# Altium PCB BCS1_REV2.2.PcbDoc (part 2 of 4)
Units mm, origin at the board's own origin, x right, y up, seen from the top; angles counter-clockwise.
Board outline 86.39 x 54.64 mm, 8 copper layers (TOP, LAYER 2 (Plane1), LAYER 3, LAYER 4_PWR1, LAYER 5_PWR2, LAYER 6, LAYER 7 (Plane2), BOTTOM), stack 1.674 mm thick; 201 components, 237 nets, 906 pads, 504 vias.
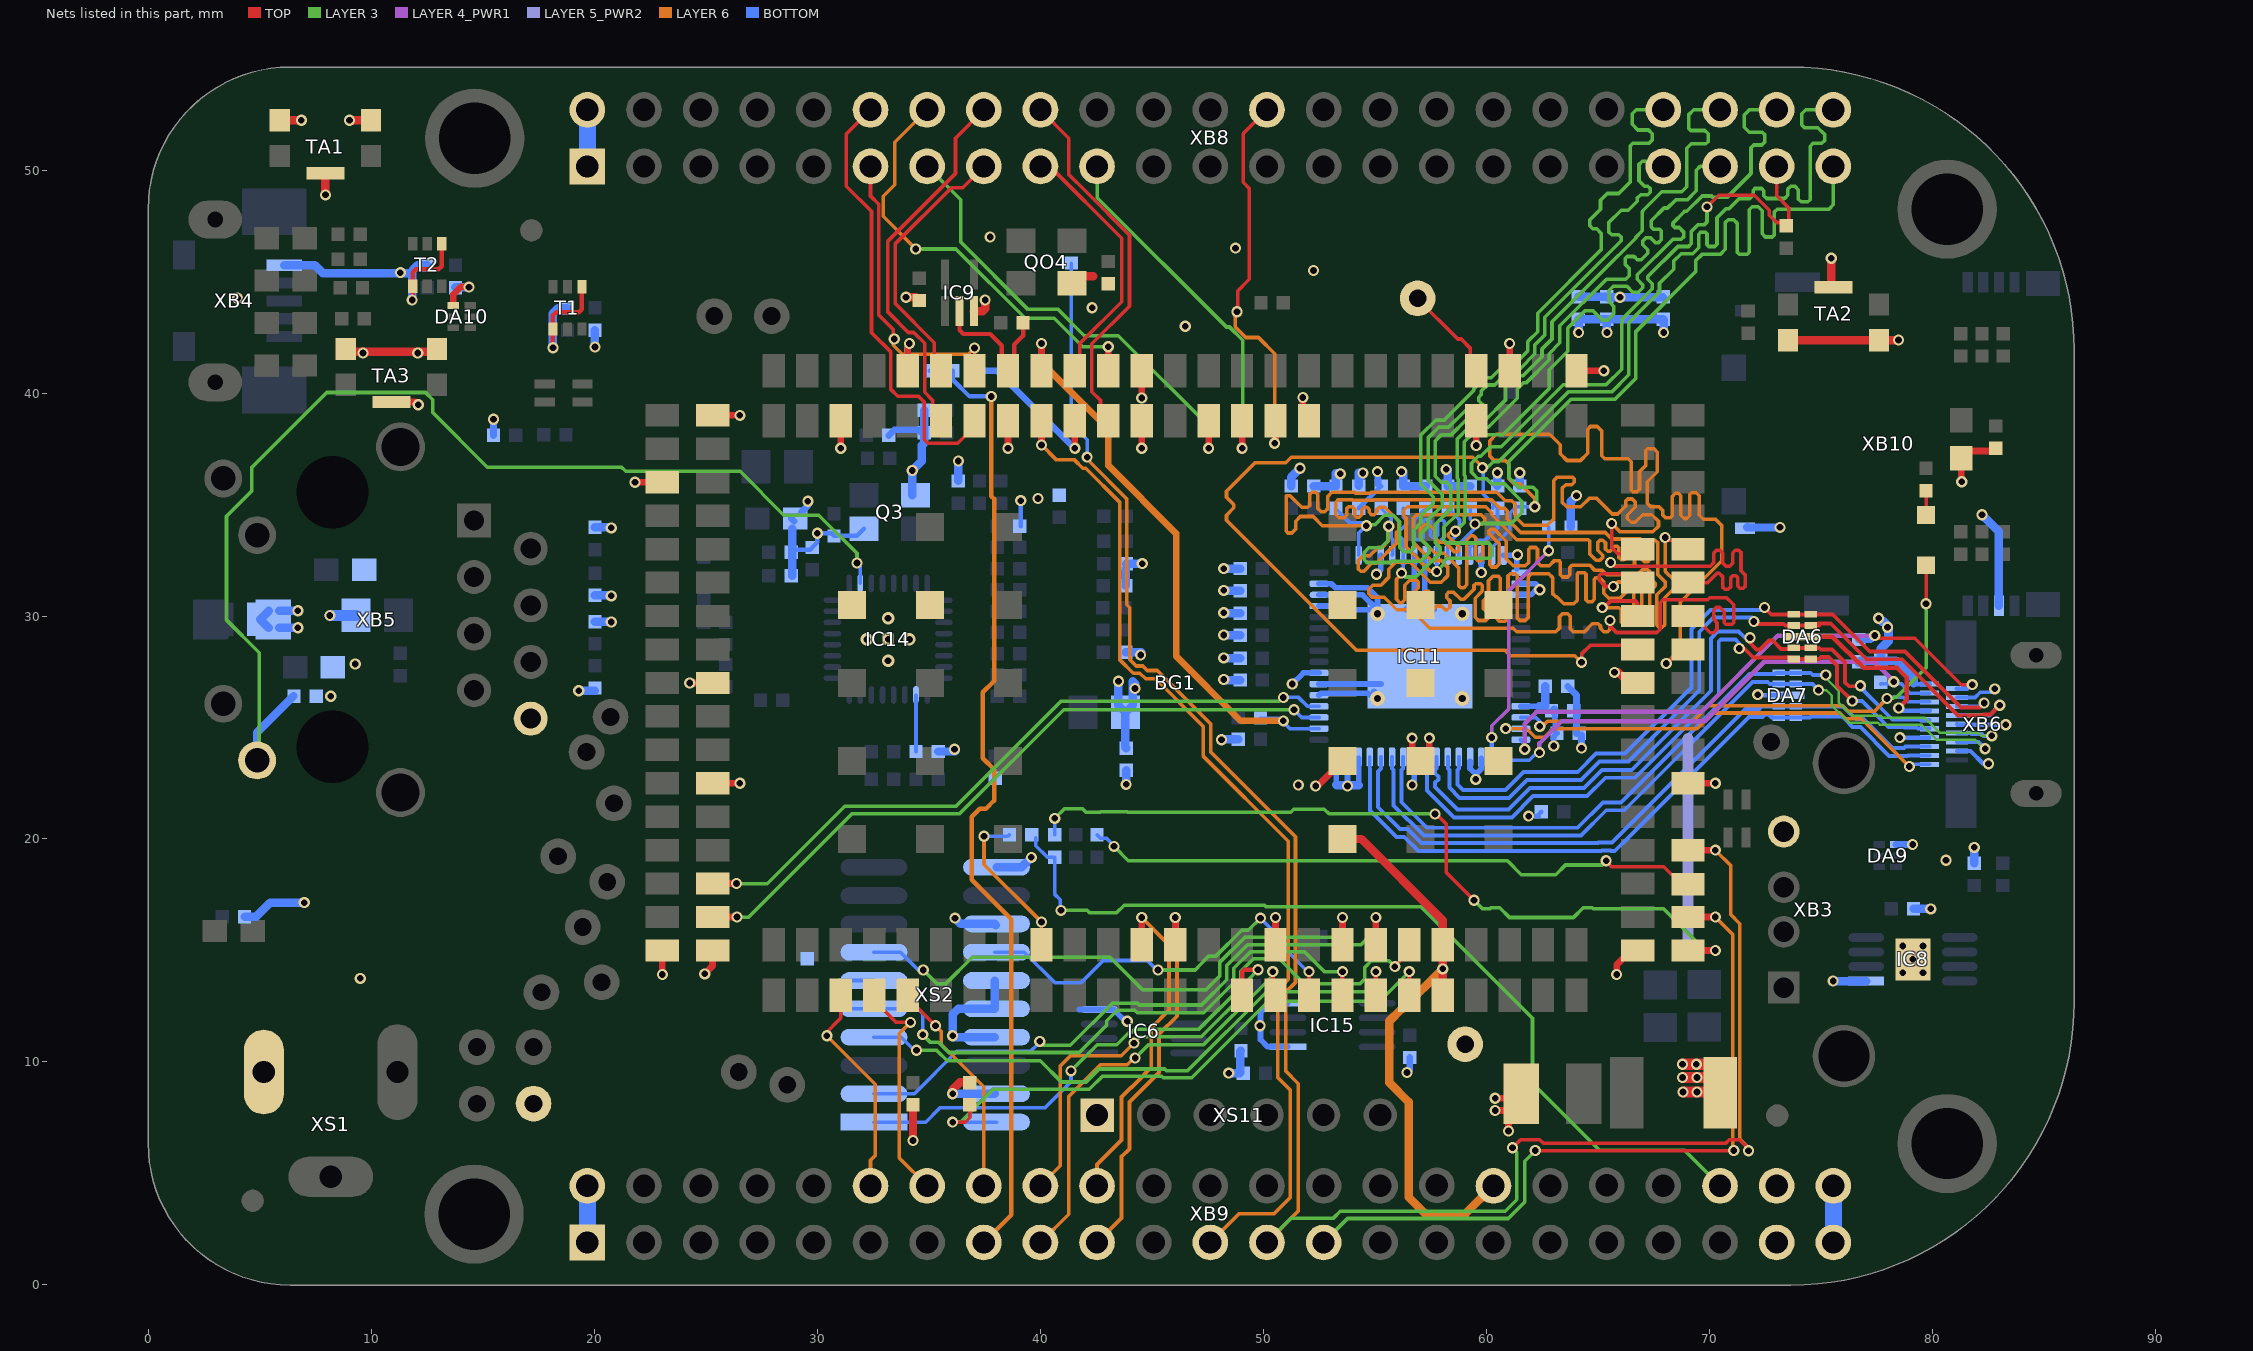
[diagram p8: the nets of this part, all layers, seen from the top]

## Via types
v1: diameter 0.5, hole 0.3, TOP to BOTTOM, tented both sides, 368 vias
v2: diameter 0.5, hole 0.3, TOP to BOTTOM, 128 vias
v3: diameter 0.559, hole 0.305, TOP to BOTTOM, tented both sides, 4 vias
v4: diameter 0.66, hole 0.33, TOP to BOTTOM, tented top, 4 vias

## Nets (pads, with @x,y where several pads share a name; then routed paths per layer and width w, separated by ;. In a path a pad name is that pad's centre, name@x,y a point inside that pad or via, vN(x,y) a via of type N, cw(c..) or ccw(c..) an arc to the next point about the centre after c; other vN are vias at no path point) (continued)
DGND: BG1.3 BG1.17 BG1.18 BG1.26 BG1.29 BG1.34 BG1.75 BG1.90 BG1.102 BG1.110 BG1.119 BG1.121 BG1.132 BG1.147 BG1.152 BG1.157 BG1.161 BG1.166 BG1.A2 BG1.B2 BG1.G2 BG1.G4 BG1.H2 BG1.H3 BG1.H4 BG1.I2 BG1.I4 C27.2 C29.1 C30.1 C34.1 C35.2 C36.2 C131.1 C132.1 C133.1 C134.1 C135.2 C136.1 C137.1 C138.1 C139.1 C140.1 C141.1 C142.2 C143.2 C144.1 C145.2 C146.1 C147.2 C148.1 C149.2 C150.2 C151.2 C153.1 C154.1 C155.2 C156.2 C157.2 C159.1 C160.2 C161.2 C162.2 C163.2 C164.2 C165.2 C166.2 C167.2 C168.2 C169.2 C170.2 C171.2 C172.2 C173.2 C199.1 C200.1 C201.1 DA6.3 DA6.8 DA7.3 DA7.8 DA9.4 DA10.4 IC6.4 IC8.1 IC8.9 IC9.3 IC11.8 IC11.9 IC11.16 IC11.17 IC11.18 IC11.19 IC11.53 IC11.54 IC11.61 IC11.62 IC11.63 IC11.65 IC14.33 IC15.1 IC15.4 Q3.2 Q3.4 QO4.2 R12.2 R25.2 R49.1 R53.1 R76.1 R77.1 R78.1 R79.1 R115.2 R116.2 R117.2 R118.2 R130.2 R132.2 R135.2 R136.1 R144.2 R145.1 R148.2 R149.2 R163.1 R165.1 T1.1 T1.4 T2.1 T2.4 TA1.1 TA1.4 TA1.5 TA2.1 TA2.4 TA2.5 TA3.1 TA3.4 TA3.5 TP1.1 TP8.1 XB3.4 XB4.5 XB5.8 XB6.4 XB6.7 XB6.10 XB6.13 XB6.16 XB8.1 XB8.2 XB9.1 XB9.2 XB9.43 XB9.44 XB9.45 XB9.46 XB10.6 XB10.9 XS1.2 XS2.4 XS2.8 XS2.10 XS2.12 XS2.16 XS2.20 XS11.1 | length 199.9
  TOP w0.2: DA6.3@74.55,29.075 75.525,29.075 76.925,27.675 78.425,27.675 78.85,27.25 78.85,26.225 v1(78.5,25.875)
  TOP w0.203: v1@11.85,44.175 T2.1@11.85,44.798 11.85,45.406 11.992,45.548 13.008,45.548 13.15,45.69 T2.4@13.15,46.698 ; v1(18.143,42.035) T1.1@18.143,42.873 18.143,43.481 18.285,43.623 19.301,43.623 19.442,43.765 T1.4@19.443,44.773
  TOP w0.3: TA3.5@10.9,39.6 11.975,39.6 v1(12.1,39.475) ; DA10.4@13.672,43.925 13.672,44.422 14.025,44.775 14.35,44.775 v1(14.375,44.75) ; v1(21.825,36) BG1.3@23.05,36 ; v1(23.05,13.925) BG1.17@23.05,15 ; v1(24.275,27) BG1.26@25.5,27 ; v1(24.95,13.95) 25.3,14.3 BG1.34@25.3,15 ; BG1.29@25.3,22.5 v1(26.525,22.5) ; BG1.18@25.3,39 v1(26.525,39) ; v1(31.05,37.525) BG1.166@31.05,38.75 ; v1(38.55,37.525) BG1.161@38.55,38.75 ; v1(44.55,37.525) BG1.157@44.55,38.75 ; v1(44.55,39.775) BG1.132@44.55,41 ; BG1.75@50.55,15.25 v1(50.55,16.475) ; BG1.152@51.775,38.75 v1(51.775,39.8) ; v1@52.425,22.375 BG1.G4@53.55,23.5 ; BG1.H4@56.675,23.875 v1(56.675,24.525) ; BG1.H4@57.45,23.9 v1(57.45,24.525) ; v1(59.55,37.65) BG1.147@59.55,38.75 ; v1(60.4,7.825) C34.1@60.9,7.825 ; v1(60.4,8.375) C34.1@60.9,8.375 ; C34.1@60.875,7.875 C34.1@61.575,8.575 ; v1(61,6.9) C34.1@61,7.4 ; BG1.121@61.05,41 v1(61.05,42.225) ; BG1.119@64.05,41 v1(65.275,41) ; v1(65.85,13.925) 65.85,14.35 BG1.102@66.275,14.775 ; BG1.90@69.05,22.5 v1(70.275,22.5) ; v2(81.325,36.025) 81.3,36.05 C153.1@81.3,37.075 81.625,37.4 82.725,37.4 C154.1@82.85,37.525
  TOP w0.381: TA1.4@5.887,52.235 v1(6.858,52.235) ; v1(7.937,48.89) TA1.5@7.937,49.86 ; TA3.4@8.7,41.85 TA3.1@12.8,41.85 ; v1(9.017,52.235) TA1.1@9.987,52.235 ; v1(33.975,44.3) 34.425,44.3 C199.1@34.575,44.15 ; v1(34.29,6.477) C29.1@34.29,8.064 ; v1(36.068,8.572) 36.068,8.763 36.386,9.08 R25.2@36.83,9.08 ; IC9.3@37.025,43.675 37.425,43.675 37.525,43.775 v1(37.525,44.175) ; QO4.2@41.573,45.243 42.375,45.243 ; v1@65.825,27.475 65.925,27.475 66.4,27 BG1.110@66.8,27 ; TA2.1@73.515,42.38 v1(78.486,42.38) ; TA2.5@75.475,44.75 v1(75.475,46.05)
  BOTTOM w0.16: XB6.16@81.11,26.346 81.921,26.346 82.15,26.575 v1@82.645,26.575
  BOTTOM w0.191: R118.2@39.125,34.03 v1(39.125,35.175) ; v1@78.55,24.58 78.584,24.546 XB6.7@79.885,24.546 ; XB6.4@81.11,23.946 81.718,23.946 82.289,23.375 v1(82.525,23.375) ; XB6.10@81.11,25.146 81.135,25.121 v1@83.3,25.121
  BOTTOM w0.2: C131.1@28.825,32.859 28.875,32.859 28.991,32.975 29.675,32.975 R144.2@29.775,33.075 30,33.3 v1(30,33.712) 30.626,33.712 C135.2@30.747,33.592 31.769,33.592 Q3.2@32.093,33.915 ; R117.2@43.825,31.35 R117.2@43.85,31.375 ; C144.1@54.285,34.831 C162.2@55.285,35.831 ; v1(61.9,21.025) R49.1@62.35,21.025 ; R49.1@62.325,21.075 R49.1@62.475,21.225 ; v1(72.175,26.475) 72.2,26.45 DA7.3@73.375,26.45 ; v1(78.5,25.875) 78.629,25.746 XB6.13@79.885,25.746
  BOTTOM w0.254: 41.75,12.35 43.293,12.35 43.693,11.95 43.817,11.826 v1(43.902,11.826) ; IC15.1@51.105,10.681 50.194,10.681 49.875,11 49.875,12.226 50.279,12.631 IC15.4@51.105,12.631 ; IC11.53@52.5,26.45 52.587,26.537 54.703,26.537 IC11.65@54.79,26.45 ; IC11.54@52.5,26.95 IC11.65@55.28,26.95 ; IC11.61@52.5,30.45 53.934,30.45 54.104,30.28 IC11.65@55.12,30.28 ; IC11.62@52.5,30.95 54.45,30.95 IC11.65@55.12,30.28 ; IC11.63@52.5,31.45 53.05,31.45 53.225,31.275 54.675,31.275 55.12,30.83 IC11.65@55.12,30.28 ; IC11.65@54.965,26.625 IC11.65@55.12,26.47 ; IC11.65@56.39,30.28 56.775,30.665 IC11.8@56.775,32.725 ; IC11.9@57.275,32.725 57.238,32.688 57.238,30.702 IC11.65@57.66,30.28 ; IC11.16@60.775,32.725 v1@61.375,32.725 ; 61.375,32.125 v1@61.375,32.725 ; v1@61.47,32.82 v1@61.375,32.725 ; IC11.19@61.55,30.95 62,30.95 62.298,31.248 v1@62.407,31.248 ; IC11.18@61.55,31.45 62.205,31.45 v1@62.407,31.248 ; v1(62.403,31.177) 62.403,31.244 v1@62.407,31.248
  BOTTOM w0.3: C36.2@15.475,38.1 v1(15.475,38.825) ; C133.1@28.825,34.384 C133.1@28.959,34.25 ; C133.1@29.275,34.65 29.575,34.95 v1(29.575,35.15) ; C142.2@33.2,38.1 33.45,38.35 34.551,38.35 C134.1@34.676,38.225 ; v1(55.125,36.475) C162.2@55.15,35.9 ; v1(56.45,9.525) 56.575,9.65 C155.2@56.575,10.2 ; C150.2@63.65,26.85 64.05,26.45 C147.2@64.05,25.7 ; C151.2@64.05,24.729 C147.2@64.05,25.7 ; C147.2@64.077,25.673 C147.2@64.05,25.7 ; v1(64.275,24.075) C151.2@64.275,24.675 ; DA9.4@78.377,19.75 v1@79.123,19.75
  BOTTOM w0.381: R12.2@4.318,16.51 4.826,16.51 5.461,17.145 v1(6.985,17.145) ; R136.1@5.397,29.464 5.016,29.845 R136.1@5.397,30.226 ; R136.1@5.874,29.475 v1(6.7,29.475) ; R136.1@5.874,30.237 v1(6.7,30.237) ; XB4.5@6.096,45.732 7.468,45.732 7.825,45.375 11.825,45.375 11.825,44.2 v1@11.85,44.175 ; 11.85,45.509 12.079,45.738 R78.1@12.5,45.738 ; R79.1@13.77,44.75 v1(14.375,44.75) ; v1(18.143,42.035) 18.125,42.053 18.125,43.567 18.372,43.813 R76.1@18.792,43.813 ; v1(19.3,26.65) C140.1@20.015,26.65 ; C139.1@20.025,29.75 v1@20.74,29.75 ; C138.1@20.025,30.925 v1@20.74,30.925 ; C137.1@20.025,33.975 v1@20.74,33.975 ; v1(20.025,42.063) R77.1@20.025,42.825 ; C132.1@28.875,31.809 28.875,32.429 ; 28.875,32.491 28.875,32.859 C133.1@28.875,33.909 ; Q3.4@34.256,35.415 v1(34.256,36.525) 34.675,36.944 34.675,37.65 34.8,37.775 C134.1@34.8,38.225 C136.1@34.8,39.225 ; R145.1@35.426,23.924 v1@36.188,23.924 ; v1(36.068,8.572) XS2.4@37.948,8.572 ; v1(36.175,16.45) 36.433,16.192 37.948,16.192 XS2.16@38.011,16.129 ; C143.2@36.319,36.058 v1@36.319,36.95 ; XS2.8@37.948,11.112 36.131,11.112 v1(36.068,11.176) 36.068,12.135 36.316,12.383 37.948,12.383 XS2.12@37.948,13.652 ; XS2.20@38.037,18.732 39.157,18.732 v1(39.6,19.175) ; R115.2@43.825,28.375 44.525,28.375 44.5,28.35 v1(44.5,28.25) ; R117.2@43.825,31.35 R116.2@43.825,32.1 ; v1(43.85,22.45) C145.2@43.85,23.075 ; R116.2@43.85,32.35 v1(44.575,32.35) ; v1@48.15,24.475 R149.2@48.875,24.475 ; v1(48.225,31.15) 48.244,31.131 C168.2@48.96,31.131 ; v1(48.225,32.125) 48.231,32.131 C156.2@48.96,32.131 ; v1@48.244,27.131 C164.2@48.96,27.131 ; v1@48.244,28.106 C165.2@48.96,28.106 ; v1@48.244,29.131 C166.2@48.96,29.131 ; v1@48.244,30.131 C167.2@48.96,30.131 ; v1(48.45,9.5) 48.95,9.5 48.975,9.525 48.975,10.475 C27.2@49,10.5 ; C157.2@51.26,35.831 51.25,35.84 51.25,36.225 v1(51.65,36.625) ; C160.2@52.26,35.831 C161.2@53.26,35.831 ; C161.2@53.252,35.842 53.252,36.4 53.453,36.4 v1(53.453,36.377) ; v1@53.453,36.427 v1@53.454,36.429 ; v1@56.275,36.5 56.275,35.84 C163.2@56.285,35.831 C169.2@57.285,35.831 ; v1(58.203,36.577) 58.278,36.577 58.275,36.574 C170.2@58.275,35.84 ; C170.2@58.285,35.831 C172.2@59.285,35.831 ; C171.2@60.5,35.84 v1(60.5,36.425) ; C173.2@61.5,35.84 v1(61.5,36.425) ; R148.2@63.8,33.975 63.8,35.15 v1(64.05,35.4) ; C146.1@64.135,43.307 C149.2@67.945,43.307 ; v1(64.145,42.713) C146.1@64.145,43.297 ; v1(65.415,42.713) C148.1@65.415,43.297 ; v1(67.955,42.713) C149.2@67.955,43.297 ; XB10.9@71.7,33.975 v1@73.138,33.969 ; v1(75.56,13.63) IC8.1@77.036,13.63 ; R53.1@79.173,16.868 v1(79.935,16.868) ; C35.2@81.887,18.923 v1@81.887,19.685 ; v1(82.233,34.544) 82.995,33.781 XB10.6@82.995,30.462
  BOTTOM w0.5: v1(8.135,30.025) C141.1@9.315,30.025
  BOTTOM w0.762: XB9.1@19.685,1.905 XB9.2@19.685,4.445 ; XB8.1@19.685,50.165 XB8.2@19.685,52.705 ; XB9.45@75.565,1.905 XB9.46@75.565,4.445
  other v1: 49.85,11.625 9.5,13.75 80.617,19.05 81.887,19.625 79.125,19.75 52.35,22.375 51.575,22.425 36.152,24.026 48.125,24.45 78.55,24.546 83.3,25.125 8.175,26.4 82.804,26.733 48.225,27.15 65.75,27.475 9.275,27.85 48.225,28.125 48.225,29.15 20.76,29.731 48.225,30.15 20.76,30.906 61.4,32.75 20.76,33.956 73.175,33.975 39.9,35.275 56.2,36.475 36.325,36.95 9.625,41.8 12.075,41.8 46.5,43 42.325,43.825 11.825,44.175 4,44.25 11.3,45.4 52.25,45.5 48.75,46.5 37.75,47
  other v3: 33.175,27.997 32.223,28.95 34.128,28.95 33.175,29.902
  other v4: 55.125,26.3 58.925,26.3 55.125,30.1 58.925,30.1
DVI_+5V: R146.2 R147.1 RT1.2 XB6.19 | length 17.8
  TOP w0.5: v2(68.8,9.3) v2@69.29,9.3 ; v2(68.8,9.9) v2@69.29,9.9 ; v2(68.825,8.65) v2@69.315,8.65 ; v2@69.35,9.3 RT1.2@69.84,9.3 ; v2@69.35,9.9 RT1.2@69.84,9.9 ; v2@69.375,8.65 RT1.2@69.865,8.65
  LAYER 5_PWR2 w0.508: 69.05,15.395 69.05,24.5
  BOTTOM w0.203: 79.233,27.025 79.312,26.946 XB6.19@79.885,26.946
  BOTTOM w0.381: R147.1@76.7,27.9 76.8,28 78.375,28 79.175,27.2 79.175,26.979
  BOTTOM w0.4: R146.2@77.7,28.025 77.7,28.537 78.035,28.872 78.035,29.54 77.825,29.75 v1@77.75,29.75
  other v1: 78,29.5 77.6,29.9
  other v2: 69.45,8.65 69.45,9.3 69.425,9.9
EHRPWM1A: BG1.38 XB9.14 | length 10.4
  TOP w0.16: BG1.38@32.55,13 32.55,12.75 33.525,11.775 34.125,11.775 v2@34.15,11.75 ; v2@34.151,11.75 v2(34.177,11.776)
  LAYER 6 w0.16: v2(34.177,11.776) 33.675,11.274 33.675,5.695 XB9.14@34.925,4.445
EHRPWM1B: BG1.39 XB9.16 | length 10
  TOP w0.16: BG1.39@34.05,13 34.05,12.875 v2(35.3,11.625)
  LAYER 6 w0.16: v2(35.3,11.625) 35.56,11.365 35.56,10.795 37.465,8.89 XB9.16@37.465,4.445
EHRPWM2A: BG1.154 XB8.19 | length 16.7
  TOP w0.3: v1(49.05,37.525) BG1.154@49.05,38.75
  LAYER 3 w0.16: XB8.19@42.545,50.165 42.545,48.767 48.349,42.962 48.488,42.962 49.075,42.375 49.075,37.55 v1(49.05,37.525)
EHRPWM2B: BG1.155 XB8.13 | length 20.8
  TOP w0.3: v1(47.55,37.525) BG1.155@47.55,38.75
  LAYER 3 w0.16: XB8.13@34.925,50.165 36.425,48.665 36.425,46.775 39.45,43.75 40.8,43.75 41.975,42.575 43.5,42.575 47.55,38.525 v1(47.55,37.525)
EMMC_RSTN: BG1.122 TP19.1 | length 4.4
  TOP w0.16: TP19.1@56.912,44.238 58.725,42.425 58.875,42.425 59.275,42.025 59.275,41.275 BG1.122@59.55,41
ETH_TXD4: IC14.18 R145.2 | length 2.5
  BOTTOM w0.16: R145.2@34.426,23.924 IC14.18@34.426,26.435
GNDA_ADC: BG1.55 BG1.80 BG1.G5 XB9.34 | length 25.9
  TOP w0.381: BG1.G5@53.325,20 BG1.G5@53.55,20 54.4,20 58.05,16.35 BG1.80@58.05,15.25 v1(58.05,14.175) BG1.55@58.05,13
  LAYER 6 w0.381: v1(58.05,14.175) 56.25,12.375 56.201,12.375 55.65,11.824 55.65,9.075 56.515,8.21 56.515,3.937 57.277,3.175 59.055,3.175 XB9.34@60.325,4.445
GPIO0_7: R50.1 R51.1 XB9.42 | length 40.6
  LAYER 3 w0.16: v2(40.925,16.8) 42.107,16.8 42.207,16.7 43.433,16.7 43.758,17.025 50.055,17.025 50.115,16.965 57.076,16.965 62.075,11.966 62.075,9.045 65.088,6.032 68.898,6.032 XB9.42@70.485,4.445
  BOTTOM w0.16: R50.1@39.8,20.05 39.8,19.7 40.323,19.177 40.64,19.177 40.64,17.535 40.9,17.275 40.9,16.85 v2@40.95,16.8
GPIO0_7SRC: BG1.68 R50.2 | length 7.1
  TOP w0.16: BG1.68@40.05,15.25 v1(40.05,16.275)
  LAYER 6 w0.16: v2(37.475,20.125) 37.475,18.85 v1(40.05,16.275)
  BOTTOM w0.16: v2(37.475,20.125) 38.548,20.125 R50.2@38.616,20.193
GPIO0_26: BG1.133 XB8.14 | length 19.2
  TOP w0.3: BG1.133@43.05,41 v1(43.05,42.075)
  LAYER 3 w0.16: v2(34.413,46.463) 36.212,46.463 39.325,43.35 40.625,43.35 41.9,42.075 v1(43.05,42.075)
  LAYER 6 w0.16: v2(34.413,46.463) 32.95,47.925 32.95,48.825 33.475,49.35 33.475,51.255 XB8.14@34.925,52.705
GPIO0_27: BG1.134 XB8.17 | length 11.8
  TOP w0.16: XB8.17@40.005,50.165 40.435,50.165 43.65,46.95 43.65,44.1 41.775,42.225 41.775,41.225 BG1.134@41.55,41
GPIO1_12: BG1.162 XB8.12 | length 20.1
  TOP w0.16: XB8.12@32.385,52.705 31.3,51.62 31.3,49.283 32.43,48.153 32.43,42.709 33.3,41.839 33.3,40.161 33.611,39.85 34.539,39.85 34.79,39.599 34.79,37.921 34.961,37.75 36.3,37.75 37.05,38.5 BG1.162@37.05,38.75
GPIO1_13: BG1.137 XB8.11 | length 13.8
  TOP w0.16: XB8.11@32.385,50.165 32.385,48.84 32.75,48.475 32.75,43.5 33.4,42.85 33.4,42.375 v2@33.452,42.427 ; BG1.137@37.05,41 v2(37.05,42.025)
  LAYER 6 w0.16: XB8.11@32.385,50.165 XB8.11@32.55,50 ; v2(33.452,42.427) 33.4,42.375 33.4,42.15 33.813,41.737 36.762,41.737 v2(37.05,42.025)
GPIO1_14: BG1.163 XB8.16 | length 16.9
  TOP w0.16: BG1.163@35.55,38.75 35.55,39.025 35.175,39.4 35.175,39.667 34.81,40.032 34.81,42.237 34.33,42.717 34.083,42.717 33.165,43.635 33.165,46.818 35.882,49.535 35.885,49.535 36.195,49.845 36.195,51.435 XB8.16@37.465,52.705
GPIO1_15: BG1.138 XB8.15 | length 12
  TOP w0.16: BG1.138@35.55,41 35.25,41.3 35.25,42.257 33.485,44.022 33.485,46.685 36.015,49.215 36.515,49.215 XB8.15@37.465,50.165
GPIO1_16: R160.2 R161.2 XB9.15 | length 43.7
  LAYER 6 w0.2: XB9.15@37.465,1.905 38.7,3.14 38.7,16.4 36.925,18.175 36.925,20.996 37.289,21.36 37.56,21.36 37.925,21.725 37.925,23.125 37.425,23.625 37.425,26.575 37.925,27.075 37.925,35.25 37.8,35.375 v1(37.8,39.85)
  BOTTOM w0.2: R160.2@35.05,41 R161.2@36.075,41 36.075,40.6 36.825,39.85 v1(37.8,39.85)
GPIO1_17: BG1.160 XB9.23 | length 45.3
  TOP w0.3: v1(40.05,37.675) BG1.160@40.05,38.75
  LAYER 6 w0.16: v1(40.05,37.675) 40.725,37 41.532,37 41.897,36.635 42.037,36.635 43.555,35.117 43.555,28.049 44.164,27.44 44.465,27.44 44.724,27.182 45.173,27.182 47.3,25.054 47.3,23.725 51.125,19.9 51.125,13.7 50.65,13.225 50.65,9.3 51.205,8.745 51.205,3.92 50.485,3.2 48.92,3.2 XB9.23@47.625,1.905
GPIO1_28: BG1.37 XB9.12 | length 9.9
  TOP w0.16: v2(30.426,11.176) 30.352,11.25 30.325,11.25 31.05,11.975 BG1.37@31.05,13
  LAYER 6 w0.16: v2(30.426,11.176) 32.6,9.001 32.6,5.803 32.385,5.588 XB9.12@32.385,4.445
GPIO1_29: BG1.153 XB8.26 | length 17.8
  TOP w0.16: v2@48.85,43.65 48.85,44.575 49.375,45.1 49.375,49.177 49.1,49.452 49.1,51.64 XB8.26@50.165,52.705
  TOP w0.3: v1@50.55,37.751 BG1.153@50.55,38.75
  LAYER 6 w0.16: v2(48.825,43.65) 48.742,43.567 48.742,42.967 49.217,42.492 49.783,42.492 50.51,41.765 v1(50.51,37.751)
GPIO2_1: BG1.158 XB8.18 | length 16.6
  TOP w0.16: XB8.18@40.005,52.705 41.275,51.435 41.275,49.8 42.053,49.022 44,47.075 44,43.9 42.31,42.21 42.31,40.065 42.7,39.675 42.7,39.1 BG1.158@43.05,38.75
GPIO3_18: BG1.85 R51.2 | length 36.2
  TOP w0.16: v2(57.7,21.125) 57.75,21.125 58.2,20.675 58.2,18.5 v2(59.45,17.25)
  TOP w0.3: BG1.85@69.05,15 v1(70.275,15)
  LAYER 3 w0.16: v2(40.65,20.925) 41.09,21.365 41.885,21.365 42.05,21.2 42.676,21.2 42.702,21.226 43.903,21.226 43.929,21.2 51.232,21.2 51.372,21.34 52.735,21.34 52.95,21.125 v2(57.7,21.125) ; v2(59.45,17.25) 59.837,16.863 60.147,16.863 60.2,16.916 60.606,16.916 61.042,16.48 63.912,16.48 64.347,16.915 64.753,16.915 64.793,16.875 67.95,16.875 69.825,15 v1(70.275,15)
  BOTTOM w0.16: R51.2@40.64,20.185 40.64,20.915 v2(40.65,20.925)
GPIO3_19: BG1.86 XB9.27 | length 33.2
  TOP w0.16: v2(62.2,6.025) v2(71.1,6.025)
  TOP w0.3: BG1.86@69.05,16.5 v1(70.275,16.5)
  LAYER 3 w0.16: XB9.27@52.705,1.905 53.78,2.98 60.983,2.98 61.725,3.722 61.725,5.55 v2(62.2,6.025)
  LAYER 6 w0.16: v1(70.275,16.5) 71.055,15.72 71.055,6.07 v2(71.1,6.025)
GPIO3_20: BG1.87 R20.2 | length 28.1
  TOP w0.16: v2(65.378,19.026) 65.378,19.003 65.375,19 65.615,18.76 67.965,18.76 68.75,17.975 BG1.87@69.05,17.975
  LAYER 3 w0.16: v2@43.302,19.776 v2(43.302,19.67) 43.947,19.025 60.95,19.025 61.575,18.4 63.117,18.4 63.552,18.835 65.21,18.835 65.378,19.003 v2(65.378,19.026)
  BOTTOM w0.16: R20.2@42.545,20.185 42.705,20.025 42.975,20.025 43.201,19.799 43.325,19.799 v2@43.302,19.776
GPIO3_21: BG1.88 R167.2 XB9.25 | length 90.4
  TOP w0.16: v2(61.175,6.15) 61.54,6.515 62.403,6.515 62.573,6.345 70.727,6.345 70.897,6.515 71.36,6.515 71.76,6.115 v2(71.76,6.018)
  TOP w0.3: BG1.88@69.05,19.5 v1(70.275,19.5)
  LAYER 3 w0.16: XB9.25@50.165,1.905 51.26,3 53.15,3 53.45,3.3 60.85,3.3 61.375,3.825 61.375,5.95 v2(61.175,6.15)
  LAYER 6 w0.16: v1(42.1,37.125) 42.1,37.025 43.875,35.25 43.875,30.5 44.01,30.365 44.01,28.047 44.297,27.76 44.598,27.76 44.801,27.557 45.25,27.557 47.635,25.172 47.635,23.915 51.445,20.105 51.445,13.567 51,13.122 51,9.6 51.575,9.025 51.575,3.315 XB9.25@50.165,1.905 ; v1(70.275,19.5) 70.975,18.8 70.975,16.6 71.375,16.2 71.375,6.55 71.75,6.175 71.75,6.028 v2(71.76,6.018)
  BOTTOM w0.16: R167.2@41.383,45.827 41.383,38.617 42.1,37.9 v1(42.1,37.125)
GPIO_1_16: BG1.139 R160.1 | length 2.6
  TOP w0.3: BG1.139@34.05,41 34.05,42.225 34.052,42.227 v1(34.127,42.227)
  BOTTOM w0.3: R160.1@34.05,41 34.05,42.225 34.052,42.227 v1(34.127,42.227)
GPIO_2_0: BG1.159 R161.1 | length 7.1
  TOP w0.3: v1(41.55,37.525) BG1.159@41.55,38.75
  BOTTOM w0.3: R161.1@37.075,41 38.05,41 41.525,37.525 v1(41.55,37.525)
GRNA: IC14.2 R135.1 XB5.12 | length 51
  LAYER 3 w0.16: XB5.12@4.975,23.625 4.975,28.35 3.5,29.825 3.5,34.475 4.625,35.6 4.625,36.65 8,40.025 12.425,40.025 12.75,39.7 12.75,39.125 15.2,36.675 21.218,36.675 21.403,36.49 26.535,36.49 28.5,34.525 30.068,34.525 31.778,32.815 v1(31.778,32.379)
  BOTTOM w0.16: v1(31.778,32.379) 31.924,32.233 IC14.2@31.924,31.465
  BOTTOM w0.36: XB5.12@4.875,23.525 4.875,24.775 R135.1@6.512,26.412
HDMI_1V8: C144.2 C145.1 C146.2 C147.1 C148.2 C149.1 C150.1 C151.1 IC11.5 IC11.14 IC11.29 IC11.35 IC11.36 IC11.41 IC11.46 IC11.47 IC11.48 IC11.55 L3.1 | length 24.4
  BOTTOM w0.254: v1(51.3,26.95) 51.8,27.45 IC11.55@52.5,27.45 ; 53.275,22.425 IC11.48@53.275,23.625 ; v1(53.775,22.375) IC11.47@53.775,23.625 ; 54.275,22.4 IC11.46@54.275,23.625 ; v1(55.075,31.875) 55.275,32.075 IC11.5@55.275,32.725 ; v1(56.675,22.425) 56.775,22.525 IC11.41@56.775,23.675 ; IC11.36@59.275,23.481 59.275,23.165 59.535,22.906 59.775,23.146 IC11.35@59.775,23.625 ; v1(59.775,31.95) IC11.14@59.775,32.725 ; IC11.29@61.55,25.95 62.371,25.95 ; C147.1@62.925,25.75 63.075,25.6 63.075,25.35 63.1,25.325 63.1,24.825 C151.1@63.175,24.75 63.025,24.6 v1(63.025,24.175)
  BOTTOM w0.3: v1@59.535,22.625 v1@59.535,22.906
  BOTTOM w0.381: v1(43.505,27.072) 43.505,25.99 L3.1@43.82,25.675 43.82,24.105 C145.1@43.85,24.075 ; L3.1@43.825,25.675 44.14,25.99 44.14,27.072 44.25,26.962 v1(44.25,26.75) ; 53.275,22.425 53.3,22.4 54.275,22.4 ; C144.2@54.275,35.84 54.275,36.425 54.277,36.427 54.453,36.427 v1(54.465,36.414) v1@54.465,36.324 ; 62.371,25.95 62.65,25.95 C150.1@62.65,26.85 ; C147.1@63.05,25.75 C147.1@63.05,25.794 ; C146.2@64.135,44.323 C148.2@65.405,44.323 ; C148.2@65.4,44.3 C149.1@67.925,44.3
  other v1: 59.528,22.676 66,44.3
HDMI_CEC: D8.1 IC11.30 XB6.15 | length 26.4
  TOP w0.16: v2(79.725,30.55) D8.1@79.725,32.275
  LAYER 3 w0.16: v2@77.975,26.365 78.015,26.325 78.257,26.325 78.297,26.365 78.415,26.365 79.725,27.675 v2(79.725,30.55)
  LAYER 6 w0.16: v2(62.403,25.051) v2(62.403,25.051) 62.425,25.075 62.55,25.075 62.75,25.275 69.275,25.275 69.975,25.975 75.99,25.975 76.229,25.736 77.411,25.736 v2(77.975,26.3)
  BOTTOM w0.16: IC11.30@61.55,25.45 62.225,25.45 62.425,25.25 62.425,25.073 v2(62.403,25.051) ; v2@77.979,26.365 78.71,26.365 78.929,26.146 XB6.15@79.885,26.146
HDMI_CEC_D: D8.2 R166.1 | length 1.1
  TOP w0.16: D8.2@79.725,34.525 R166.1@79.725,35.625
HDMI_DSCL: IC11.33 R146.1 XB6.17 | length 22.5
  LAYER 4_PWR1 w0.2: v2@62.385,23.9 62.385,24.285 63.375,25.275 69.8,25.275 72.475,27.95 77.4,27.95 78.325,27.025 v1@78.325,26.9
  BOTTOM w0.16: IC11.33@60.775,23.675 60.915,23.535 61.928,23.535 62.268,23.875 v2(62.385,23.875) ; R146.1@77.7,26.95 77.721,26.971 78.604,26.971 78.745,26.83 78.745,26.801 79,26.546 XB6.17@79.885,26.546
  other v1: 78.275,27.05
HDMI_DSDA: IC11.32 R147.2 XB6.18 | length 26
  TOP w0.16: v1@77.425,29.1 77.525,29 79.225,29 81.3,26.925 v1(81.8,26.925) ; v1@81.774,27.051 v1@81.85,26.975
  LAYER 4_PWR1 w0.2: v2@61.725,24.05 61.725,25.175 62.25,25.7 69.65,25.7 73.075,29.125 v1(77.425,29.125)